# Altium PCB IMX6 DEV BOARD.PcbDoc (part 4 of 12)
Units mm, origin at the board's own origin, x right, y up, seen from the top; angles counter-clockwise.
Board outline 72.05 x 100.23 mm, 8 copper layers (Top Layer, GND 1, Inner 2, PWR 1, PWR 2, Inner 5, GND2, Bottom Layer), stack 1.463 mm thick; 691 components, 568 nets, 3028 pads, 1624 vias.
Unrouted connection lines stored in the file: 1.
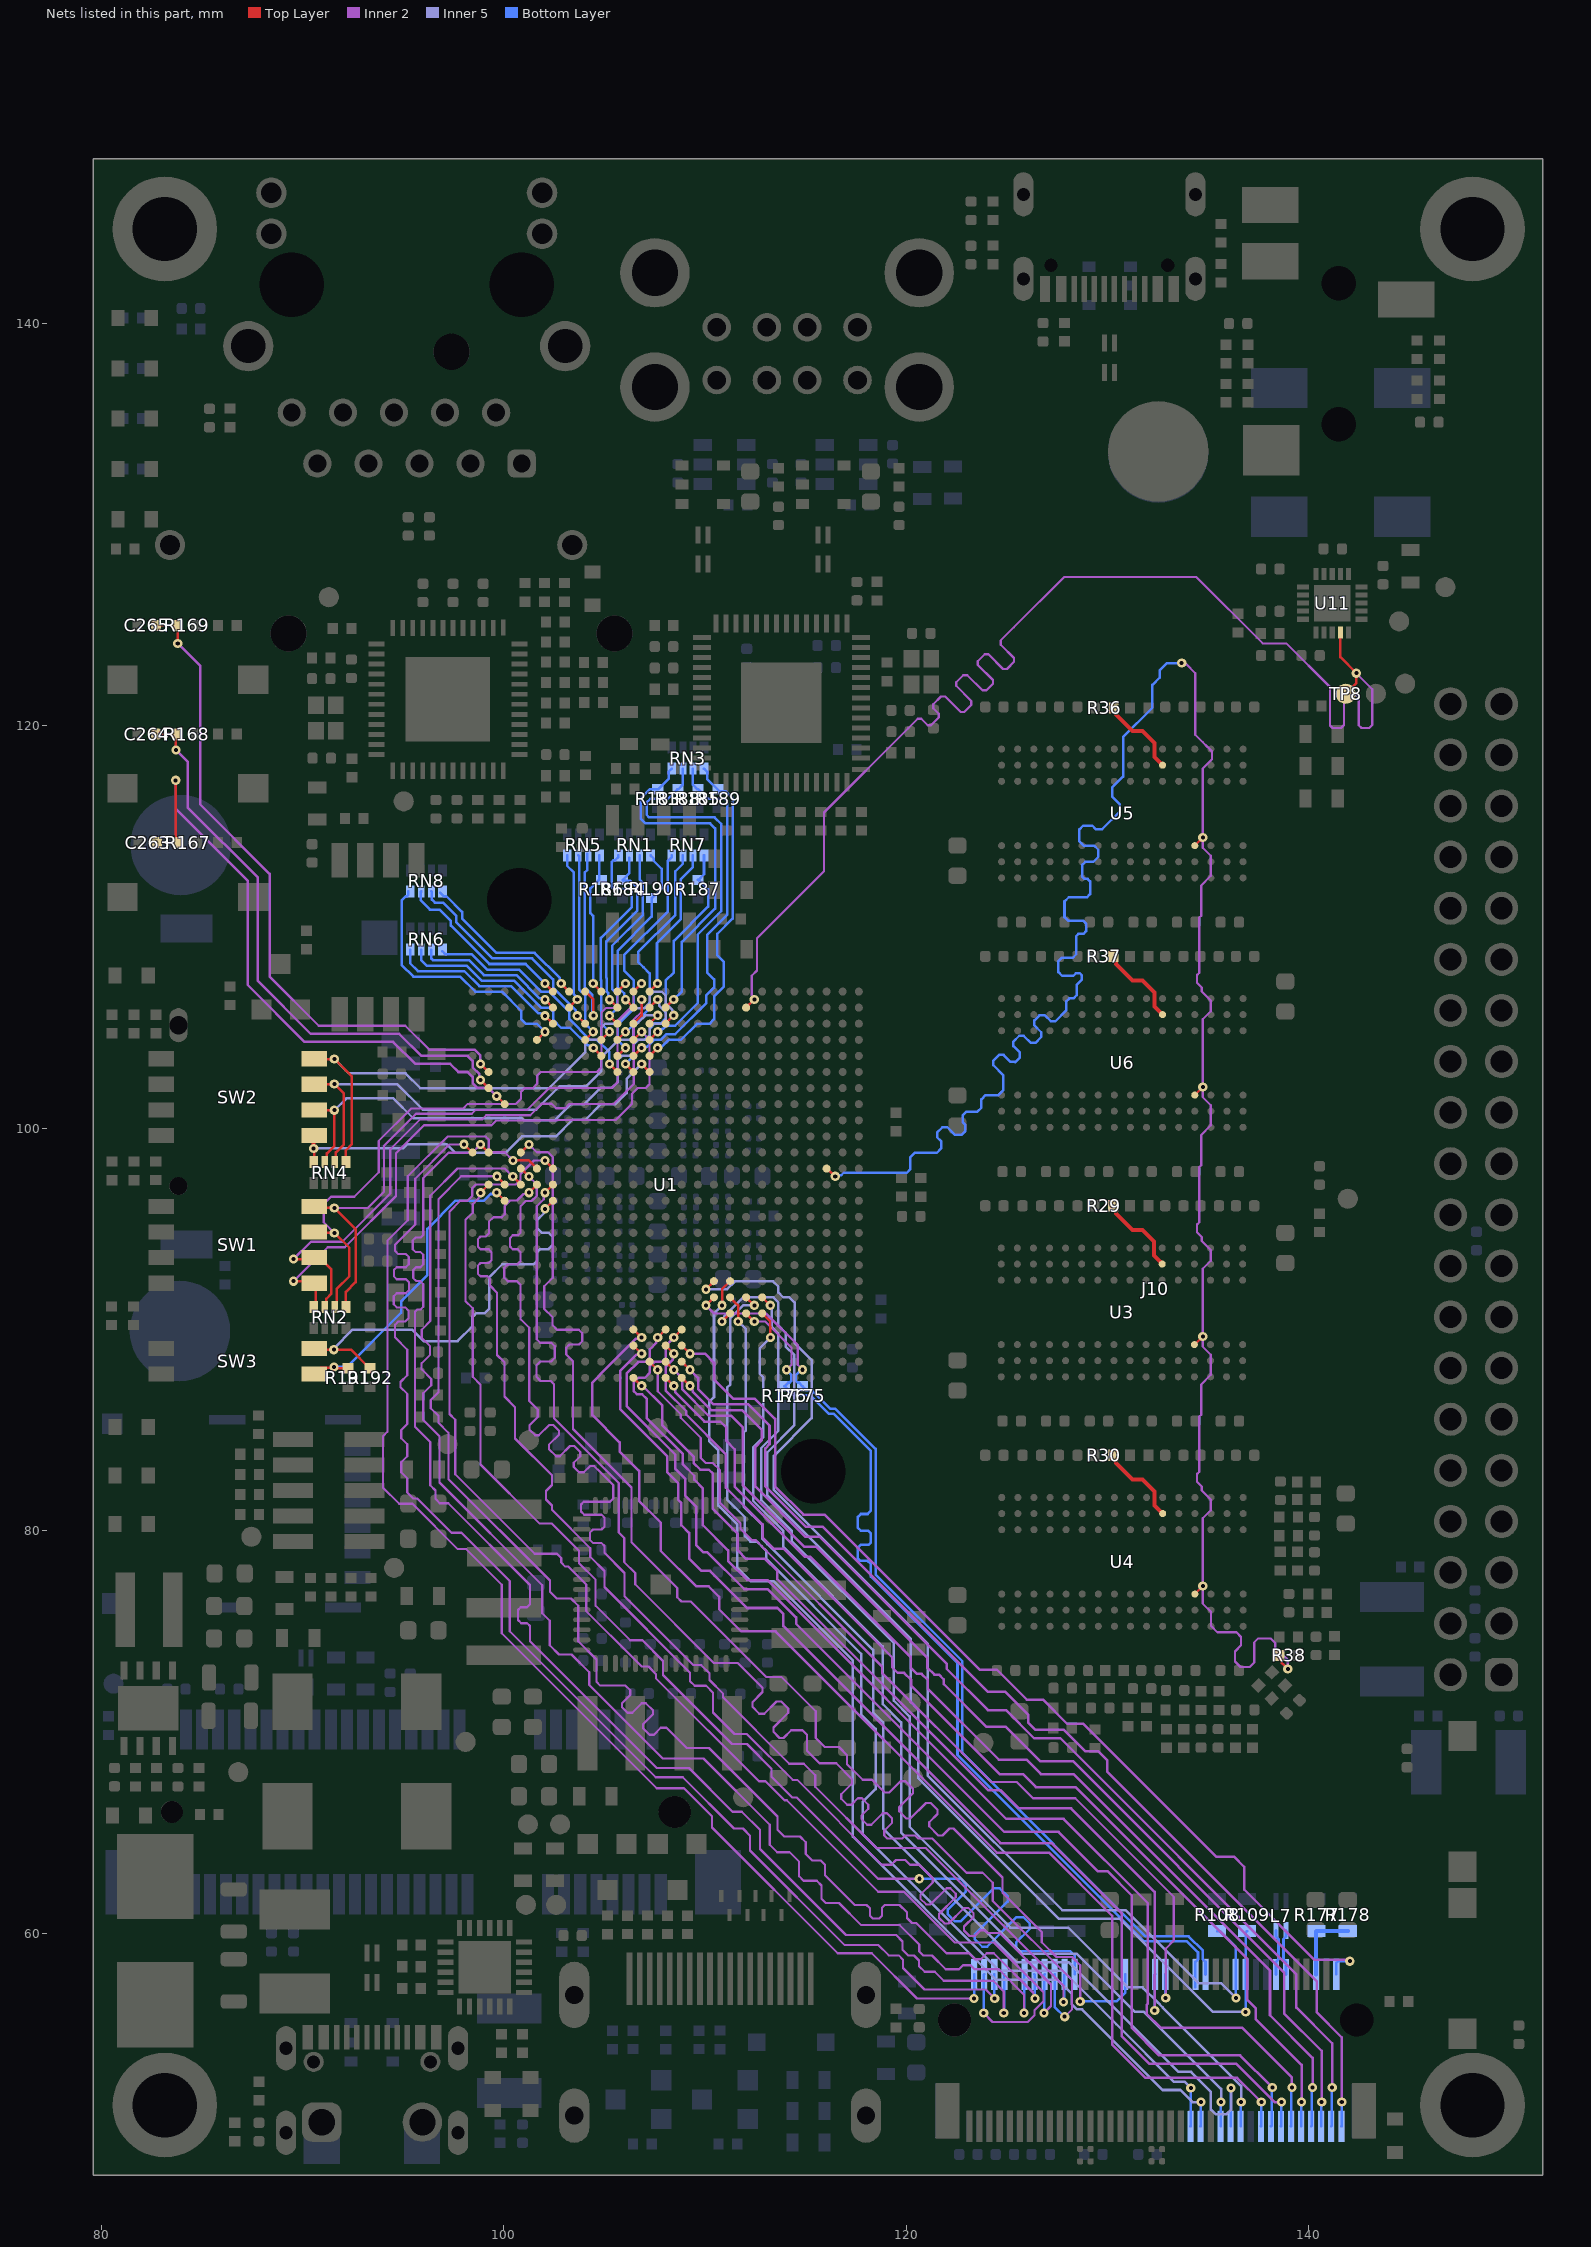
[diagram p10: the nets of this part, all layers, seen from the top]

## Via types
v1: diameter 0.46, hole 0.2, Top Layer to Bottom Layer, tented both sides, 1586 vias
v2: diameter 0.7, hole 0.4, Top Layer to Bottom Layer, 32 vias
v3: diameter 0.46, hole 0.2, Top Layer to Bottom Layer, tented bottom, 6 vias

## Nets (pads, with @x,y where several pads share a name; then routed paths per layer and width w, separated by ;. In a path a pad name is that pad's centre, name@x,y a point inside that pad or via, vN(x,y) a via of type N, cw(c..) or ccw(c..) an arc to the next point about the centre after c; other vN are vias at no path point) (continued)
"AUDMUX4_ TXFS": TP8.1 U1.V24 U11.14 | length 65.2
  Top Layer w0.125: U1.V24@112.044,106 112.047,106 112.447,106.4 v1(112.45,106.4) ; U11.14@141.578,124.654 141.578,123.419 v1(142.375,122.621) 142.375,122.125 TP8.1@141.85,121.6
  Inner 2 w0.11: v1(112.45,106.4) 112.45,106.495 112.329,106.616 112.329,107.584 112.585,107.841 112.585,109.455 115.914,112.784 115.914,115.695 120.103,119.883 120.576,120.356 120.744,120.356 121.066,120.034 121.234,120.034 121.617,120.417 121.617,120.605 121.348,120.874 121.348,121.08 121.729,121.46 121.936,121.46 122.696,120.7 122.897,120.7 123.236,121.04 123.236,121.242 122.487,121.991 122.487,122.176 122.836,122.524 123.035,122.524 123.789,121.771 123.988,121.771 124.312,122.095 124.312,122.28 123.56,123.031 123.56,123.215 123.905,123.559 124.091,123.559 124.815,122.835 125.007,122.835 125.357,123.185 125.357,123.38 124.704,124.034 124.704,124.254 125.35,124.9 127.85,127.4 134.421,127.4 137.716,124.104 138.896,124.104 141.065,121.935 141.065,120.023 141.188,119.9 141.615,119.9 141.757,120.042 141.757,121.406 141.911,121.559 142.346,121.559 142.5,121.405 142.5,120.032 142.632,119.9 143.023,119.9 143.166,120.043 143.166,121.83 v1(142.375,122.621)
BOOT_CFG1_0: R187.1 RN7.1 U1.L20 | length 13.3
  Top Layer w0.125: v1(106.05,103.2) 106.05,103.197 106.444,102.803 U1.L20@106.444,102.8
  Bottom Layer w0.125: v1(106.05,103.2) 106.45,103.6 106.45,104.156 106.702,104.408 107.013,104.408 107.257,104.652 107.257,104.963 107.517,105.222 107.813,105.222 108.043,105.452 108.043,107.348 108.45,107.755 108.45,109.318 110.15,111.018 110.15,111.871 R187.1@109.671,112.35 ; R187.1@109.65,112.35 R187.1@109.671,112.35 ; RN7.1@109.95,113.568 109.95,112.629 R187.1@109.671,112.35
BOOT_CFG1_1: R186.1 RN5.1 U1.J25 | length 7.2
  Top Layer w0.125: v1(104.44,107.194) 104.445,107.194 104.839,106.8 U1.J25@104.844,106.8
  Bottom Layer w0.125: v1(104.44,107.194) 104.44,110.56 104.302,110.698 104.302,111.923 104.729,112.35 104.75,112.35 RN5.1@104.75,113.568
BOOT_CFG1_2: R185.1 RN3.2 U1.L21 | length 18.3
  Top Layer w0.125: U1.L21@106.444,103.6 106.447,103.6 106.847,104 v1(106.85,104)
  Bottom Layer w0.125: v1(106.85,104) 106.908,104.058 107.133,104.058 107.483,104.408 107.813,104.408 108.088,104.682 108.522,104.682 110.051,106.212 110.051,106.601 110.45,107 110.45,107.4 110.107,107.743 110.107,109.618 111.1,110.611 111.1,116.25 110.963,116.387 110.134,116.387 109.671,116.85 109.629,116.85 109.4,117.079 RN3.2@109.4,117.88
BOOT_CFG1_3: R184.1 RN1.3 U1.K24 | length 9
  Top Layer w0.125: v1(105.25,106.394) U1.K24@105.644,106
  Bottom Layer w0.125: v1(105.25,106.394) 105.186,106.458 105.186,106.731 105.107,106.81 105.107,107.47 105.103,107.475 105.103,109.295 106.637,110.829 106.637,111.953 106.289,112.302 105.948,112.302 R184.1@105.9,112.35 105.921,112.35 106.1,112.529 106.113,112.541 106.113,112.562 106.246,112.696 RN1.3@106.246,113.438
BOOT_CFG1_4: RN2.8 SW1.1 U1.L22 | length 29
  Top Layer w0.125: v1(89.55,92.4) 90.55,92.4 SW1.1@90.65,92.3 ; RN2.8@90.55,91.12 90.65,91.22 90.65,92.24 SW1.1@90.585,92.305 ; U1.L22@106.45,104.4 106.45,104.403 106.847,104.8 v1(106.85,104.8)
  Inner 2 w0.11: v1(89.55,92.4) 91.243,94.093 92.093,94.093 94.64,96.64 94.64,98.762 96.031,100.153 99.393,100.153 99.625,100.385 102.625,100.385 102.654,100.414 105.564,100.414 106.371,101.221 106.371,101.718 106.654,102 107.053,102 107.243,102.19 107.243,104.408 v1(106.85,104.8)
BOOT_CFG1_5: RN2.7 SW1.2 U1.L23 | length 31.9
  Top Layer w0.125: v1(89.55,93.5) 90.51,93.5 SW1.2@90.585,93.575 90.84,93.575 91.432,92.983 91.432,91.782 91.178,91.528 91.178,91.198 RN2.7@91.1,91.12 ; U1.L23@106.45,105.2 106.45,105.206 106.85,105.606 v1(106.85,106.4)
  Inner 2 w0.11: v1(89.55,93.5) 90.418,94.368 91.968,94.368 94.359,96.759 94.359,98.961 95.843,100.446 98.931,100.446 99.13,100.645 101.313,100.645 101.89,101.223 102.377,101.223 102.6,101 103.051,101 103.259,101.207 105.413,101.207 105.425,101.219 105.469,101.219 106.457,102.207 106.457,105.408 106.85,105.8 v1(106.85,106.4)
BOOT_CFG1_6: RN2.6 SW1.3 U1.K25 | length 30.4
  Top Layer w0.125: SW1.3@90.585,94.845 90.63,94.8 v1(91.578,94.8) 91.583,94.8 92.321,94.062 92.321,92.649 91.707,92.036 91.707,91.357 91.6,91.25 RN2.6@91.6,91.12 ; U1.K25@105.644,106.8 105.647,106.8 106.047,107.2 v1(106.05,107.2)
  Inner 2 w0.11: v1(91.578,94.8) 91.05,95.328 91.05,96.236 91.414,96.6 92.57,96.6 93.787,97.817 93.787,99.376 95.397,100.986 97.982,100.986 98.21,101.215 100.606,101.215 100.848,101.457 100.848,101.811 101.029,101.991 101.433,101.991 101.665,102.223 101.665,102.629 101.836,102.8 104.63,102.8 104.85,103.02 104.85,105.749 105.087,105.986 105.436,105.986 105.658,106.208 105.658,106.808 v1(106.05,107.2)
BOOT_CFG1_7: RN2.5 SW1.4 U1.L25 | length 30.6
  Top Layer w0.125: SW1.4@90.585,96.115 90.659,96.041 v1(91.578,96.041) 92.633,94.986 92.633,92.353 92.15,91.87 RN2.5@92.15,91.12 ; U1.L25@106.444,106.8 v1(106.844,107.2)
  Inner 2 w0.11: v1(91.578,96.041) 93.241,96.041 94.047,96.847 94.047,99.14 95.633,100.726 98.407,100.726 98.599,100.918 101.171,100.918 102.253,102 105.353,102 105.657,102.304 105.657,105.357 106.451,106.151 106.451,106.808 v1(106.844,107.2)
BOOT_CFG2_0: R190.1 RN1.1 U1.L24 | length 9
  Top Layer w0.125: v1(106.05,106.394) U1.L24@106.45,105.994
  Bottom Layer w0.125: v1(106.05,106.394) 105.986,106.458 105.986,106.709 105.657,107.037 105.657,107.363 105.666,107.371 105.666,108.837 107.35,110.521 107.35,111.429 107.85,111.929 107.85,112.9 107.454,113.296 107.454,113.41 RN1.1@107.296,113.568
BOOT_CFG2_1: R189.1 RN3.1 U1.M21 | length 17.8
  Top Layer w0.125: U1.M21@107.244,103.6 107.247,103.6 107.647,104 v1(107.65,104)
  Bottom Layer w0.125: v1(107.65,104) 107.714,104.064 107.858,104.064 108.188,104.394 108.794,104.394 109.593,105.193 110.214,105.193 110.45,105.429 110.45,106.555 110.924,107.029 110.924,108.287 110.618,108.592 110.618,109.67 111.375,110.427 111.375,116.42 111.039,116.756 110.723,116.756 110.107,117.372 110.107,117.723 RN3.1@109.95,117.88
BOOT_CFG2_2: R188.1 RN3.3 U1.M22 | length 20
  Top Layer w0.125: U1.M22@107.244,104.4 107.247,104.4 107.647,104.8 v1(107.65,104.8)
  Bottom Layer w0.125: v1(107.65,104.8) 107.741,104.8 107.888,104.947 107.926,104.947 108.08,105.1 108.509,105.1 109.641,106.232 109.641,107.036 109.643,107.037 109.643,107.363 109.641,107.364 109.641,109.626 110.808,110.793 110.808,115.128 110.479,115.457 107.225,115.457 107.097,115.586 107.097,116.188 107.28,116.371 108.15,116.371 108.629,116.85 R188.1@108.65,116.85 108.671,116.85 108.863,117.041 108.863,117.062 108.9,117.1 RN3.3@108.9,117.88
BOOT_CFG2_3: RN4.8 SW2.1 U1.M20 | length 20.8
  Top Layer w0.125: RN4.8@90.55,98.32 90.585,98.355 v1@90.585,99.035 ; v1(106.85,103.2) 106.85,103.197 107.244,102.803 U1.M20@107.244,102.8
  Top Layer w0.2: v1(90.55,99) 90.585,99.035 90.55,99.07 90.55,99.61 SW2.1@90.585,99.645
  Inner 5 w0.125: v1(90.55,99) 95,99 95.213,99.213 97.149,99.213 97.569,98.793 99.013,98.793 99.025,98.78 100.08,98.78 100.904,99.604 102.588,99.604 103.403,100.418 104.048,100.418 104.833,101.203 105.547,101.203 106.099,101.756 106.099,102.449 v1(106.85,103.2)
BOOT_CFG2_4: RN4.7 SW2.2 U1.M24 | length 25.9
  Top Layer w0.125: SW2.2@90.585,100.915 90.6,100.9 v1(91.578,100.9) 91.578,99.128 91.207,98.757 91.207,98.427 RN4.7@91.1,98.32 ; U1.M24@107.25,106 107.25,106.003 107.647,106.4 v1(107.65,106.4)
  Inner 5 w0.125: v1(91.578,100.9) 92.17,101.493 94.508,101.493 95.5,100.5 100.9,100.5 100.992,100.408 102.54,100.408 103.34,101.207 104.007,101.207 104.821,102.021 105.394,102.021 105.657,102.285 105.657,103.384 105.874,103.6 106.3,103.6 106.457,103.757 106.457,104.197 106.66,104.4 107.041,104.4 107.25,104.609 107.25,104.995 107.46,105.206 107.859,105.206 108.043,105.389 108.043,105.777 107.714,106.105 107.714,106.336 v1(107.65,106.4)
BOOT_CFG2_5: RN4.6 SW2.3 U1.M23 | length 25
  Top Layer w0.125: SW2.3@90.585,102.185 90.6,102.2 v1(91.578,102.2) 92.05,101.728 92.05,99.2 91.65,98.8 91.65,98.37 RN4.6@91.6,98.32 ; U1.M23@107.25,105.2 107.25,105.21 107.65,105.61 v1(107.65,105.614)
  Inner 5 w0.125: v1(91.578,102.2) 94.7,102.2 95.975,100.925 101.607,100.925 102.782,102.1 104.1,102.1 104.847,102.847 104.847,103.547 105.693,104.393 106.255,104.393 106.443,104.58 106.443,105.015 106.684,105.256 107.042,105.614 v1(107.65,105.614)
BOOT_CFG2_6: RN4.5 SW2.4 U1.N23 | length 28.2
  Top Layer w0.125: SW2.4@90.585,103.455 90.599,103.441 v1(91.578,103.441) 92.15,102.869 92.45,102.569 92.45,99.211 92.15,98.911 RN4.5@92.15,98.32 ; U1.N23@108.044,105.2 108.044,105.207 108.444,105.607 v1(108.444,105.614)
  Inner 5 w0.125: v1(91.578,103.441) 92.292,102.727 95.116,102.727 95.851,101.993 102.239,101.993 104.05,103.804 104.05,104.213 104.24,104.404 104.665,104.404 104.845,104.584 104.845,105.003 105.044,105.201 105.602,105.201 106.38,105.98 106.993,105.98 107.25,106.237 107.25,106.577 107.466,106.793 107.849,106.793 108.051,106.59 108.051,106.2 108.38,105.871 108.38,105.678 v1(108.444,105.614)
BOOT_CFG2_7: R183.1 RN3.4 U1.N24 | length 17.2
  Top Layer w0.125: U1.N24@108.044,106 v1(108.444,106.4)
  Bottom Layer w0.125: RN3.4@108.35,117.88 108.192,117.723 108.192,117.371 107.671,116.85 107.25,116.85 106.795,116.395 106.795,115.405 107.045,115.155 110.256,115.155 110.499,114.912 110.499,110.917 108.85,109.268 108.85,106.806 v1(108.444,106.4)
BOOT_CFG3_0: RN5.2 U1.H25 | length 9.6
  Top Layer w0.125: U1.H25@104.05,106.806 104.05,106.794 104.45,106.394 v1(104.45,105.6)
  Bottom Layer w0.125: RN5.2@104.15,113.649 104.15,112.85 104.027,112.727 104.027,107.002 104.386,106.643 104.386,105.664 v1(104.45,105.6)
BOOT_CFG3_1: RN5.4 U1.G24 | length 7.9
  Top Layer w0.125: U1.G24@103.244,106 103.247,106 103.647,106.4 v1(103.65,106.4)
  Bottom Layer w0.125: RN5.4@103.15,113.568 103.15,113.05 103.466,112.734 103.466,106.674 103.65,106.491 v1(103.65,106.4)
BOOT_CFG3_2: RN1.4 U1.J22 | length 11.2
  Top Layer w0.125: U1.J22@104.85,104.406 104.853,104.406 105.247,104.8 v1(105.25,104.8)
  Bottom Layer w0.125: v1(105.25,104.8) 104.843,105.208 104.843,106.686 104.832,106.696 104.832,107.357 104.828,107.361 104.828,109.467 106.362,111.002 106.362,111.76 106.208,111.914 105.446,111.914 105.373,111.988 105.373,113.245 105.459,113.33 105.539,113.33 105.696,113.488 RN1.4@105.696,113.568
BOOT_CFG3_3: RN8.1 U1.G25 | length 8.7
  Top Layer w0.125: v1(102.85,107.194) U1.G25@103.244,106.8
  Bottom Layer w0.125: RN8.1@96.85,111.7 97.007,111.543 97.14,111.543 97.922,110.76 97.922,110.428 99.632,108.718 101.532,108.718 102.786,107.464 102.786,107.258 v1(102.85,107.194)
BOOT_CFG3_4: RN5.3 U1.H22 | length 9.6
  Top Layer w0.125: U1.H22@104.044,104.4 v1(104.444,104.8)
  Bottom Layer w0.125: RN5.3@103.7,113.568 103.741,113.527 103.741,106.899 104.05,106.59 104.05,105.194 v1(104.444,104.8)
BOOT_CFG3_5: RN8.2 U1.H23 | length 11.1
  Top Layer w0.125: v1(103.65,105.594) U1.H23@104.044,105.2 U1.H23@104.05,105.194
  Bottom Layer w0.125: RN8.2@96.4,111.78 96.425,111.755 96.425,111.366 96.575,111.216 96.981,111.216 97.647,110.55 97.647,110.231 99.436,108.443 101.407,108.443 102.45,107.4 102.45,107 103.586,105.864 103.586,105.658 v1(103.65,105.594)
BOOT_CFG3_6: RN6.2 U1.F24 | length 7.5
  Top Layer w0.125: v1(102.05,106.394) U1.F24@102.45,105.994
  Bottom Layer w0.125: RN6.2@96.4,108.88 96.4,108.439 96.473,108.366 98.262,108.366 99.01,107.618 100.621,107.618 101.781,106.458 101.986,106.458 v1(102.05,106.394)
BOOT_CFG3_7: RN6.3 U1.J21 | length 11.7
  Top Layer w0.125: v1(104.45,103.994) U1.J21@104.85,103.594
  Bottom Layer w0.125: RN6.3@95.9,108.88 95.9,108.35 96.159,108.091 98.148,108.091 98.896,107.343 100.507,107.343 101.85,106 102.25,106 102.45,105.8 102.45,105.4 102.85,105 103.3,105 104.177,104.123 104.23,104.123 104.359,103.994 v1(104.45,103.994)
BOOT_CFG4_0: RN8.3 U1.F25 | length 9.1
  Top Layer w0.125: v1(102.05,107.194) U1.F25@102.45,106.794
  Bottom Layer w0.125: RN8.3@95.9,111.78 95.876,111.756 95.876,111.327 96.33,110.873 96.813,110.873 97.372,110.314 97.372,110.075 99.28,108.168 101.082,108.168 102.05,107.2 v1(102.05,107.194)
BOOT_CFG4_1: RN7.2 U1.M25 | length 7.7
  Top Layer w0.125: U1.M25@107.244,106.8 v1(107.644,107.2)
  Bottom Layer w0.125: v1(107.644,107.2) 107.615,107.229 107.615,109.205 108.804,110.395 108.804,112.39 109.4,112.986 RN7.2@109.4,113.568
BOOT_CFG4_2: RN7.3 U1.K22 | length 11
  Top Layer w0.125: U1.K22@105.65,104.4 105.65,104.403 106.047,104.8 v1(106.05,104.8)
  Bottom Layer w0.125: v1(106.05,104.8) 106.1,104.8 107.25,105.95 107.25,107.702 106.946,108.006 106.94,108.006 106.678,108.267 106.678,108.762 108.529,110.613 108.529,112.779 108.9,113.15 RN7.3@108.9,113.568
BOOT_CFG4_3: RN7.4 U1.K21 | length 11.8
  Top Layer w0.125: U1.K21@105.644,103.6 105.647,103.6 106.047,104 v1(106.05,104)
  Bottom Layer w0.125: v1(106.05,104) 105.657,104.393 105.657,105.13 106.451,105.924 106.451,107.369 105.982,107.838 105.982,108.607 108.16,110.785 108.16,113.298 108.35,113.488 RN7.4@108.35,113.568
BOOT_CFG4_4: RN1.2 U1.K23 | length 9.5
  Top Layer w0.125: v1(105.25,105.594) U1.K23@105.65,105.194
  Bottom Layer w0.125: v1(105.25,105.594) 105.643,105.986 105.643,106.664 105.382,106.924 105.382,107.476 105.391,107.485 105.391,109.081 106.912,110.602 106.912,112.194 106.746,112.36 RN1.2@106.746,113.568
BOOT_CFG4_5: RN6.1 U1.K20 | length 11.7
  Top Layer w0.125: v1(105.25,103.2) 105.25,103.197 105.644,102.803 U1.K20@105.644,102.8
  Bottom Layer w0.125: RN6.1@96.95,108.8 97.107,108.643 98.416,108.643 99.166,107.893 100.757,107.893 101.85,106.8 102.25,106.8 103.257,105.793 103.257,105.431 104.291,104.398 104.637,104.398 105.25,103.785 v1(105.25,103.2)
BOOT_CFG4_6: RN8.4 U1.E22 | length 13.1
  Top Layer w0.125: U1.E22@101.644,104.4 v1(102.044,104.8)
  Bottom Layer w0.125: RN8.4@95.25,111.78 95.25,111.6 95.193,111.543 95.145,111.543 94.924,111.322 94.924,108.126 95.509,107.541 97.833,107.541 98.581,106.793 99.908,106.793 100.857,105.843 100.857,105.437 101.087,105.208 101.636,105.208 v1(102.044,104.8)
BOOT_CFG4_7: RN6.4 U1.F23 | length 9
  Top Layer w0.125: v1(102.05,105.594) U1.F23@102.444,105.2 U1.F23@102.45,105.194
  Bottom Layer w0.125: RN6.4@95.35,108.88 95.35,108.2 95.734,107.816 98.034,107.816 98.782,107.068 100.366,107.068 101.709,105.725 101.828,105.725 101.959,105.594 v1(102.05,105.594)
BOOT_MODE0: R191.2 SW3.1 U1.C12 | length 16
  Top Layer w0.125: SW3.1@90.585,87.79 90.902,88.107 91.533,88.107 v1(91.565,88.139) 91.629,88.075 92.093,88.075 92.156,88.152 92.25,88.267 R191.2@92.25,88.075 ; v1(99.646,96.8) 99.649,96.8 100.046,96.402 100.049,96.4 U1.C12@100.052,96.4
  Bottom Layer w0.125: v1(91.565,88.139) 92.203,88.139 94.896,90.832 94.896,91.396 96.2,92.7 96.2,95 97.603,96.403 99.014,96.403 99.347,96.736 99.582,96.736 v1(99.646,96.8)
BOOT_MODE1: R192.2 SW3.2 U1.F12 | length 21.2
  Top Layer w0.125: SW3.2@90.585,89.06 90.645,89 v1(91.55,89) 92.404,89 93.329,88.075 R192.2@93.35,88.075 ; v1(102.05,96) 102.05,96.003 102.444,96.397 U1.F12@102.444,96.4
  Inner 5 w0.125: v1(91.55,89) 91.55,89.055 92.487,89.993 95.445,89.993 96.015,89.422 97.702,89.422 98.443,90.163 98.443,90.622 98.619,90.799 99.034,90.799 99.285,91.05 99.285,92.607 99.921,93.243 101.077,93.243 101.081,93.238 101.469,93.238 101.65,93.419 101.65,93.854 101.796,94 102.218,94 102.443,94.224 102.443,94.592 102.235,94.8 101.895,94.8 101.657,95.037 101.657,95.445 101.986,95.773 101.986,95.936 v1(102.05,96)
Button0: C263.1 R167.2 U1.C18 | length 31.4
  Top Layer w0.125: C263.1@82.75,114.2 R167.2@83.825,114.2 ; v1(83.693,117.3) 83.693,114.332 R167.2@83.825,114.2 ; R167.2@83.788,114.238 R167.2@83.825,114.2 ; v1(99.646,101.6) 99.649,101.6 100.046,101.202 100.049,101.2 U1.C18@100.052,101.2
  Inner 2 w0.125: v1@83.7,117.3 83.7,115.871 83.75,115.821 87.262,112.308 87.262,107.138 90.1,104.3 94.5,104.3 95.6,103.2 97.339,103.2 97.739,102.8 98.201,102.8 98.446,102.555 98.446,102.245 98.685,102.005 99.24,102.005 v1(99.646,101.6)
Button1: C264.1 R168.2 U1.B19 | length 29.1
  Top Layer w0.125: C264.1@82.707,119.6 R168.2@83.775,119.6 83.7,119.525 v1(83.7,118.8) ; v1(98.846,102.4) 98.849,102.4 99.246,102.002 99.249,102 U1.B19@99.252,102
  Inner 2 w0.125: v1(83.7,118.8) 84.3,118.2 84.3,115.932 84.35,115.882 87.775,112.457 87.775,107.325 90.4,104.7 94.8,104.7 95.9,103.6 98.205,103.6 98.454,103.351 98.454,103.037 98.782,102.709 98.782,102.464 v1(98.846,102.4)
Button2: C265.1 R169.2 U1.B20 | length 33.5
  Top Layer w0.125: C265.1@82.707,125 R169.2@83.775,125 83.793,124.982 v1(83.793,124.1) ; v1(98.846,103.2) 98.849,103.2 99.246,102.802 99.249,102.8 U1.B20@99.252,102.8
  Inner 2 w0.125: v1@83.8,124.1 84.9,123 84.9,116.107 88.357,112.649 88.357,107.543 90.8,105.1 95.1,105.1 96.292,103.908 98.55,103.908 98.841,103.617 98.841,103.205 v1(98.846,103.2)
CdE_CAN_N: J10.48A R175.2 U1.T6 | length 47.5
  Top Layer w0.13: v1(110.05,91.2) 110.05,91.203 110.444,91.597 U1.T6@110.444,91.6
  Inner 2 w0.11: v1(110.05,91.2) 110.449,90.801 113.032,90.801 114.605,89.228 114.605,88.245 v1(114.85,88)
  Bottom Layer w0.13: v1(114.85,88) 114.783,88 114.52,87.737 114.52,87.44 114.596,87.364 114.661,87.364 R175.2@114.85,87.175 115.039,86.986 115.13,86.986 115.136,86.98 115.328,86.98 116.247,86.061 116.481,86.061 118.482,84.06 118.482,77.818 122.789,73.511 122.789,68.955 131.904,59.84 134.044,59.84 134.747,59.137 134.747,58.698 134.877,58.568 J10.48A@134.877,57.943
CdE_CAN_P: J10.46A R176.2 U1.V5 | length 47.5
  Top Layer w0.13: U1.V5@112.044,90.8 112.047,90.8 112.447,90.4 v1(112.45,90.4)
  Inner 2 w0.11: v1(112.45,90.4) 112.994,90.4 114.295,89.099 114.295,88.245 v1(114.05,88)
  Bottom Layer w0.13: v1(114.05,88) 114.05,87.989 114.28,87.759 114.28,87.44 114.204,87.364 114.139,87.364 R176.2@113.95,87.175 113.971,87.175 114.16,86.986 114.16,86.965 114.385,86.74 115.228,86.74 116.147,85.821 116.382,85.821 118.242,83.96 118.242,80.992 118.083,80.832 117.749,80.832 117.6,80.683 117.6,80.142 117.742,80 118.113,80 118.242,79.871 118.242,79.416 118.127,79.3 117.734,79.3 117.6,79.166 117.6,78.63 117.73,78.5 118.08,78.5 118.242,78.337 118.242,77.718 122.549,73.411 122.549,68.856 131.805,59.6 133.945,59.6 134.507,59.038 134.507,58.698 134.377,58.568 J10.46A@134.377,57.318
CdE_GPIO_1: J10.59A U1.L4 | length 60.3
  Top Layer w0.125: U1.L4@106.444,90 106.447,90 106.847,89.6 v1(106.85,89.6)
  Inner 2 w0.125: v1(106.85,89.6) 106.786,89.536 106.553,89.536 104.771,87.754 104.771,87.729 104.4,87.357 104.4,85.748 105.757,84.39 105.757,83.937 106.723,82.972 106.723,81.477 107.8,80.4 107.8,79 109.57,77.23 110.188,77.23 110.709,76.709 110.709,76.091 111.8,75 113.505,75 124.503,64.003 127.097,64.003 130.239,60.861 130.239,54.461 131.9,52.8 136.45,52.8 v1(137.65,51.6)
  Bottom Layer w0.125: J10.59A@137.627,50.393 137.639,50.405 137.639,51.589 v1(137.65,51.6)
CdE_GPIO_2: J10.61A U1.N4 | length 59